# Altium PCB PM12_CFD.PcbDoc (part 5 of 12)
Units mm, origin at the board's own origin, x right, y up, seen from the top; angles counter-clockwise.
Board outline 96.25 x 362.25 mm, 6 copper layers (Top Layer, Mid-Layer 1, Mid-Layer 2, Mid-Layer 3, Mid-Layer 4, Bottom Layer); 1413 components, 2881 nets, 4503 pads, 1682 vias.
Unrouted connection lines stored in the file: 4.
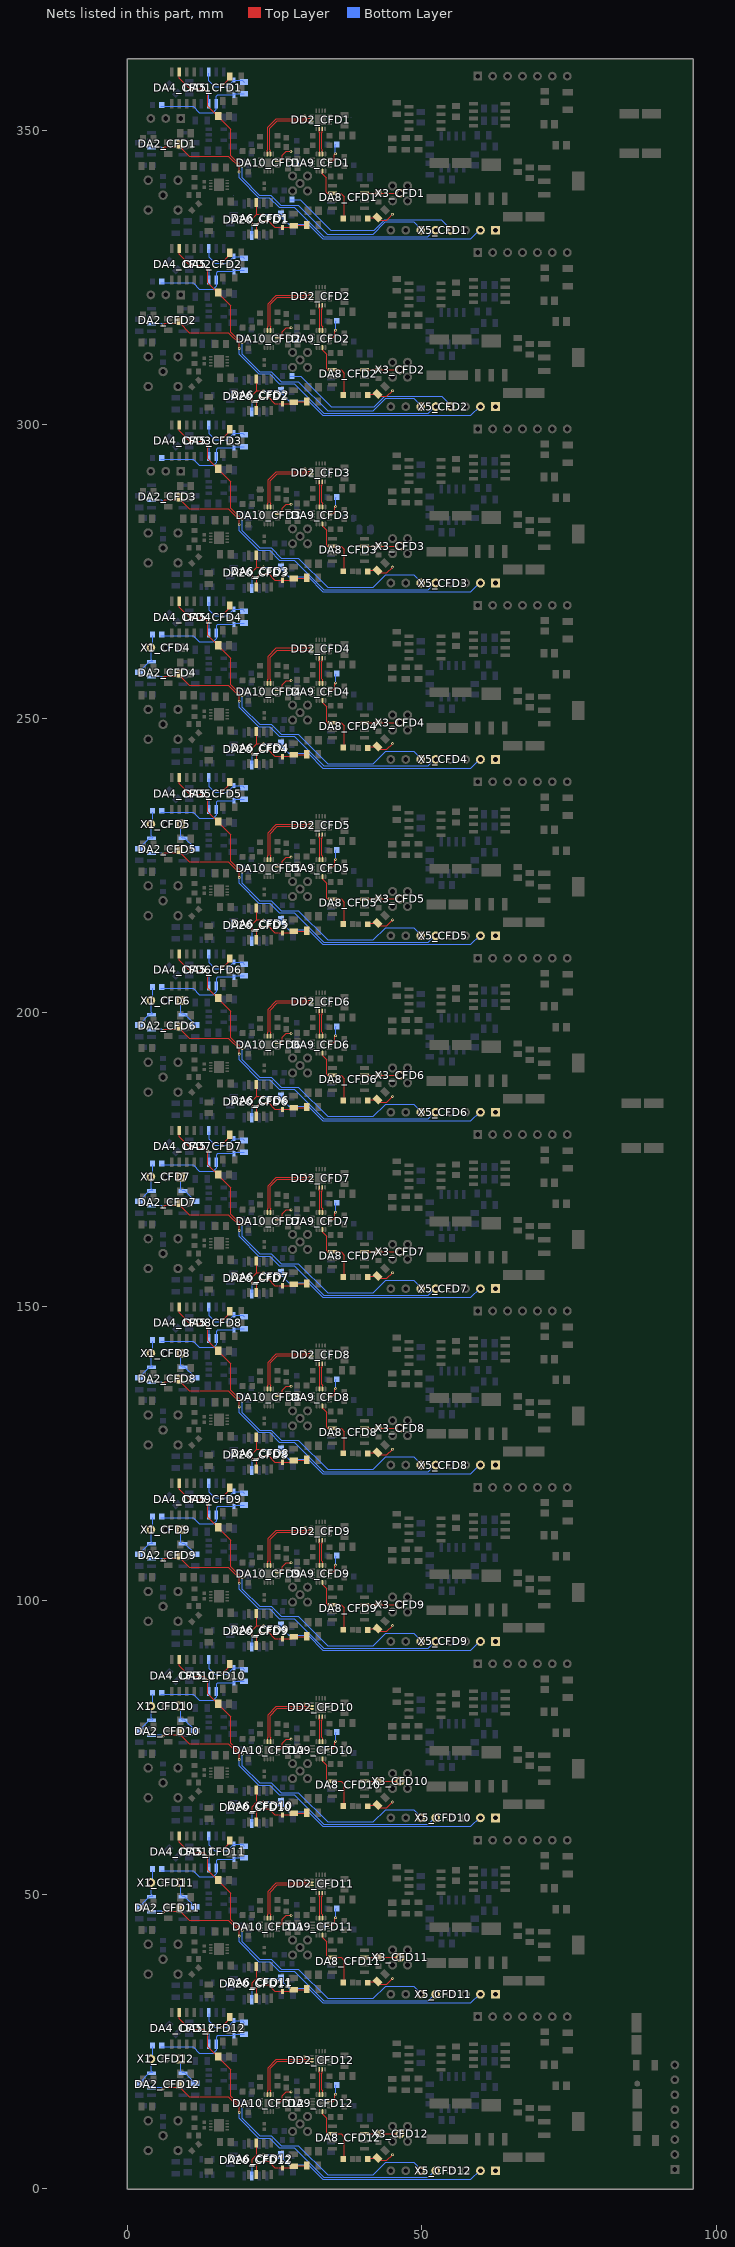
[diagram p9: the nets of this part, all layers, seen from the top]

## Via types
v1: diameter 0.48, hole 0.25, Top Layer to Bottom Layer, 1581 vias
v2: diameter 1, hole 0.6, Top Layer to Bottom Layer, 46 vias
v3: diameter 0.2/0/0/0/0/0.48 (per signal layer), hole 0.25, Top Layer to Bottom Layer, 33 vias
v4: diameter 4, hole 2.2, Top Layer to Bottom Layer, 12 vias
v5: diameter 0.5/0/0/0/0/1 (per signal layer), hole 0.6, Top Layer to Bottom Layer, 10 vias

## Nets (pads, with @x,y where several pads share a name; then routed paths per layer and width w, separated by ;. In a path a pad name is that pad's centre, name@x,y a point inside that pad or via, vN(x,y) a via of type N, cw(c..) or ccw(c..) an arc to the next point about the centre after c; other vN are vias at no path point) (continued)
DA2_O_CFD4_P: DA2_CFD4.4 R45_CFD4.2 R48_CFD4.2 X1_CFD4.3 | length 7.6
  Bottom Layer w0.2: R48_CFD4.2@1.9,257.9 3.71,259.71 4.2,259.71 3.92,259.99 3.92,262 4.22,262.3 R45_CFD4.2@4.22,264.049
DA2_O_CFD5_N: DA2_CFD5.5 R8_CFD5.2 X1_CFD5.1 | length 5.3
  Bottom Layer w0.2: X1_CFD5.1@9,232 9,229.91 9.2,229.71 9.59,229.71 R8_CFD5.2@11.4,227.9
DA2_O_CFD5_P: DA2_CFD5.4 R45_CFD5.2 R48_CFD5.2 X1_CFD5.3 | length 7.6
  Bottom Layer w0.2: R48_CFD5.2@1.9,227.9 3.71,229.71 4.2,229.71 3.92,229.99 3.92,232 4.22,232.3 R45_CFD5.2@4.22,234.049
DA2_O_CFD6_N: DA2_CFD6.5 R8_CFD6.2 X1_CFD6.1 | length 5.3
  Bottom Layer w0.2: X1_CFD6.1@9,202 9,199.91 9.2,199.71 9.59,199.71 R8_CFD6.2@11.4,197.9
DA2_O_CFD6_P: DA2_CFD6.4 R45_CFD6.2 R48_CFD6.2 X1_CFD6.3 | length 7.6
  Bottom Layer w0.2: R48_CFD6.2@1.9,197.9 3.71,199.71 4.2,199.71 3.92,199.99 3.92,202 4.22,202.3 R45_CFD6.2@4.22,204.049
DA2_O_CFD7_N: DA2_CFD7.5 R8_CFD7.2 X1_CFD7.1 | length 5.3
  Bottom Layer w0.2: X1_CFD7.1@9,172 9,169.91 9.2,169.71 9.59,169.71 R8_CFD7.2@11.4,167.9
DA2_O_CFD7_P: DA2_CFD7.4 R45_CFD7.2 R48_CFD7.2 X1_CFD7.3 | length 7.6
  Bottom Layer w0.2: R48_CFD7.2@1.9,167.9 3.71,169.71 4.2,169.71 3.92,169.99 3.92,172 4.22,172.3 R45_CFD7.2@4.22,174.049
DA2_O_CFD8_N: DA2_CFD8.5 R8_CFD8.2 X1_CFD8.1 | length 5.3
  Bottom Layer w0.2: X1_CFD8.1@9,142 9,139.91 9.2,139.71 9.59,139.71 R8_CFD8.2@11.4,137.9
DA2_O_CFD8_P: DA2_CFD8.4 R45_CFD8.2 R48_CFD8.2 X1_CFD8.3 | length 7.6
  Bottom Layer w0.2: R48_CFD8.2@1.9,137.9 3.71,139.71 4.2,139.71 3.92,139.99 3.92,142 4.22,142.3 R45_CFD8.2@4.22,144.049
DA2_O_CFD9_N: DA2_CFD9.5 R8_CFD9.2 X1_CFD9.1 | length 5.3
  Bottom Layer w0.2: X1_CFD9.1@9,112 9,109.91 9.2,109.71 9.59,109.71 R8_CFD9.2@11.4,107.9
DA2_O_CFD9_P: DA2_CFD9.4 R45_CFD9.2 R48_CFD9.2 X1_CFD9.3 | length 7.6
  Bottom Layer w0.2: R48_CFD9.2@1.9,107.9 3.71,109.71 4.2,109.71 3.92,109.99 3.92,112 4.22,112.3 R45_CFD9.2@4.22,114.049
DA2_O_CFD10_N: DA2_CFD10.5 R8_CFD10.2 X1_CFD10.1 | length 5.3
  Bottom Layer w0.2: X1_CFD10.1@9,82 9,79.91 9.2,79.71 9.59,79.71 R8_CFD10.2@11.4,77.9
DA2_O_CFD10_P: DA2_CFD10.4 R45_CFD10.2 R48_CFD10.2 X1_CFD10.3 | length 7.6
  Bottom Layer w0.2: R48_CFD10.2@1.9,77.9 3.71,79.71 4.2,79.71 3.92,79.99 3.92,82 4.22,82.3 R45_CFD10.2@4.22,84.049
DA2_O_CFD11_N: DA2_CFD11.5 R8_CFD11.2 X1_CFD11.1 | length 5.3
  Bottom Layer w0.2: X1_CFD11.1@9,52 9,49.91 9.2,49.71 9.59,49.71 R8_CFD11.2@11.4,47.9
DA2_O_CFD11_P: DA2_CFD11.4 R45_CFD11.2 R48_CFD11.2 X1_CFD11.3 | length 7.6
  Bottom Layer w0.2: R48_CFD11.2@1.9,47.9 3.71,49.71 4.2,49.71 3.92,49.99 3.92,52 4.22,52.3 R45_CFD11.2@4.22,54.049
DA2_O_CFD12_N: DA2_CFD12.5 R8_CFD12.2 X1_CFD12.1 | length 5.3
  Bottom Layer w0.2: X1_CFD12.1@9,22 9,19.91 9.2,19.71 9.59,19.71 R8_CFD12.2@11.4,17.9
DA2_O_CFD12_P: DA2_CFD12.4 R45_CFD12.2 R48_CFD12.2 X1_CFD12.3 | length 7.6
  Bottom Layer w0.2: R48_CFD12.2@1.9,17.9 3.71,19.71 4.2,19.71 3.92,19.99 3.92,22 4.22,22.3 R45_CFD12.2@4.22,24.049
DA2_VOCM_CFD1: C37_CFD1.2 DA2_CFD1.2 pad.1@4.17,347.17 X5_CFD1.5 | length 56.8
  Top Layer w0.2: v1(5.939,346.9) 6.015,346.9 6.265,347.15 8.4,347.15 C37_CFD1.2@8.77,347.52 ; C37_CFD1.2@8.77,347.6 C37_CFD1.2@8.77,347.52 ; v1(18.9,342.9) 18.9,343.763 17.063,345.6 10.395,345.6 8.77,347.225 C37_CFD1.2@8.77,347.52
  Bottom Layer w0.2: pad.1@4.17,347.17 5.594,347.17 5.864,346.9 v1(5.939,346.9) ; v1(18.9,342.9) 18.9,341.9 22.25,338.55 24.05,338.55 25.7,336.9 28.236,336.9 33.25,331.885 51.015,331.885 X5_CFD1.5@52.23,333.1
DA2_VOCM_CFD2: C37_CFD2.2 DA2_CFD2.2 X5_CFD2.5 | length 56.8
  Top Layer w0.2: v1(5.969,316.9) 6.045,316.9 6.295,317.15 8.43,317.15 C37_CFD2.2@8.8,317.52 ; C37_CFD2.2@8.8,317.6 C37_CFD2.2@8.8,317.52 ; v1(18.93,312.9) 18.93,313.763 17.093,315.6 10.425,315.6 8.8,317.225 C37_CFD2.2@8.8,317.52
  Bottom Layer w0.2: DA2_CFD2.2@4.2,317.17 5.624,317.17 5.894,316.9 v1(5.969,316.9) ; v1(18.93,312.9) 18.93,311.9 22.28,308.55 24.08,308.55 25.73,306.9 28.266,306.9 33.28,301.885 51.045,301.885 X5_CFD2.5@52.26,303.1
DA2_VOCM_CFD3: C37_CFD3.2 DA2_CFD3.2 X5_CFD3.5 | length 56.8
  Top Layer w0.2: 5.969,286.9 6.045,286.9 6.295,287.15 8.43,287.15 C37_CFD3.2@8.8,287.52 ; C37_CFD3.2@8.8,287.6 C37_CFD3.2@8.8,287.52 ; v1(18.93,282.9) 18.93,283.763 17.093,285.6 10.425,285.6 8.8,287.225 C37_CFD3.2@8.8,287.52
  Bottom Layer w0.2: DA2_CFD3.2@4.2,287.17 5.624,287.17 5.894,286.9 5.969,286.9 ; v1(18.93,282.9) 18.93,281.9 22.28,278.55 24.08,278.55 25.73,276.9 28.266,276.9 33.28,271.885 51.045,271.885 X5_CFD3.5@52.26,273.1
DA2_VOCM_CFD4: C37_CFD4.2 DA2_CFD4.2 X5_CFD4.5 | length 56.8
  Top Layer w0.2: v1(5.969,256.9) 6.045,256.9 6.295,257.15 8.43,257.15 C37_CFD4.2@8.8,257.52 ; C37_CFD4.2@8.8,257.6 C37_CFD4.2@8.8,257.52 ; v1(18.93,252.9) 18.93,253.763 17.093,255.6 10.425,255.6 8.8,257.225 C37_CFD4.2@8.8,257.52
  Bottom Layer w0.2: DA2_CFD4.2@4.2,257.17 5.624,257.17 5.894,256.9 v1(5.969,256.9) ; v1(18.93,252.9) 18.93,251.9 22.28,248.55 24.08,248.55 25.73,246.9 28.266,246.9 33.28,241.885 51.045,241.885 X5_CFD4.5@52.26,243.1
DA2_VOCM_CFD5: C37_CFD5.2 DA2_CFD5.2 X5_CFD5.5 | length 56.8
  Top Layer w0.2: v1(5.969,226.9) 6.045,226.9 6.295,227.15 8.43,227.15 C37_CFD5.2@8.8,227.519 ; C37_CFD5.2@8.8,227.6 C37_CFD5.2@8.8,227.519 ; v1(18.93,222.9) 18.93,223.763 17.093,225.6 10.425,225.6 8.8,227.225 C37_CFD5.2@8.8,227.519
  Bottom Layer w0.2: DA2_CFD5.2@4.2,227.17 5.624,227.17 5.894,226.9 v1(5.969,226.9) ; v1(18.93,222.9) 18.93,221.9 22.28,218.55 24.08,218.55 25.73,216.9 28.266,216.9 33.28,211.885 51.045,211.885 X5_CFD5.5@52.26,213.1
DA2_VOCM_CFD6: C37_CFD6.2 DA2_CFD6.2 X5_CFD6.5 | length 56.8
  Top Layer w0.2: v1(5.969,196.9) 6.045,196.9 6.295,197.15 8.43,197.15 C37_CFD6.2@8.8,197.519 ; C37_CFD6.2@8.8,197.6 C37_CFD6.2@8.8,197.519 ; v1(18.93,192.9) 18.93,193.763 17.093,195.6 10.425,195.6 8.8,197.225 C37_CFD6.2@8.8,197.519
  Bottom Layer w0.2: DA2_CFD6.2@4.2,197.17 5.624,197.17 5.894,196.9 v1(5.969,196.9) ; v1(18.93,192.9) 18.93,191.9 22.28,188.55 24.08,188.55 25.73,186.9 28.266,186.9 33.28,181.885 51.045,181.885 X5_CFD6.5@52.26,183.1
DA2_VOCM_CFD7: C37_CFD7.2 DA2_CFD7.2 X5_CFD7.5 | length 56.8
  Top Layer w0.2: v1(5.969,166.9) 6.045,166.9 6.295,167.15 8.43,167.15 C37_CFD7.2@8.8,167.519 ; C37_CFD7.2@8.8,167.6 C37_CFD7.2@8.8,167.519 ; v1(18.93,162.9) 18.93,163.763 17.093,165.6 10.425,165.6 8.8,167.225 C37_CFD7.2@8.8,167.519
  Bottom Layer w0.2: DA2_CFD7.2@4.2,167.17 5.624,167.17 5.894,166.9 v1(5.969,166.9) ; v1(18.93,162.9) 18.93,161.9 22.28,158.55 24.08,158.55 25.73,156.9 28.266,156.9 33.28,151.885 51.045,151.885 X5_CFD7.5@52.26,153.1
DA2_VOCM_CFD8: C37_CFD8.2 DA2_CFD8.2 X5_CFD8.5 | length 56.8
  Top Layer w0.2: v1(5.969,136.9) 6.045,136.9 6.295,137.15 8.43,137.15 C37_CFD8.2@8.8,137.519 ; C37_CFD8.2@8.8,137.6 C37_CFD8.2@8.8,137.519 ; v1(18.93,132.9) 18.93,133.763 17.093,135.6 10.425,135.6 8.8,137.225 C37_CFD8.2@8.8,137.519
  Bottom Layer w0.2: DA2_CFD8.2@4.2,137.17 5.624,137.17 5.894,136.9 v1(5.969,136.9) ; v1(18.93,132.9) 18.93,131.9 22.28,128.55 24.08,128.55 25.73,126.9 28.266,126.9 33.28,121.885 51.045,121.885 X5_CFD8.5@52.26,123.1
DA2_VOCM_CFD9: C37_CFD9.2 DA2_CFD9.2 X5_CFD9.5 | length 56.8
  Top Layer w0.2: v1(5.969,106.9) 6.045,106.9 6.295,107.15 8.43,107.15 C37_CFD9.2@8.8,107.519 ; C37_CFD9.2@8.8,107.6 C37_CFD9.2@8.8,107.519 ; v1(18.93,102.9) 18.93,103.763 17.093,105.6 10.425,105.6 8.8,107.225 C37_CFD9.2@8.8,107.519
  Bottom Layer w0.2: DA2_CFD9.2@4.2,107.17 5.624,107.17 5.894,106.9 v1(5.969,106.9) ; v1(18.93,102.9) 18.93,101.9 22.28,98.55 24.08,98.55 25.73,96.9 28.266,96.9 33.28,91.885 51.045,91.885 X5_CFD9.5@52.26,93.1
DA2_VOCM_CFD10: C37_CFD10.2 DA2_CFD10.2 X5_CFD10.5 | length 56.8
  Top Layer w0.2: v1(5.969,76.9) 6.045,76.9 6.295,77.15 8.43,77.15 C37_CFD10.2@8.8,77.519 ; C37_CFD10.2@8.8,77.6 C37_CFD10.2@8.8,77.519 ; v1(18.93,72.9) 18.93,73.763 17.093,75.6 10.425,75.6 8.8,77.225 C37_CFD10.2@8.8,77.519
  Bottom Layer w0.2: DA2_CFD10.2@4.2,77.17 5.624,77.17 5.894,76.9 v1(5.969,76.9) ; v1(18.93,72.9) 18.93,71.9 22.28,68.55 24.08,68.55 25.73,66.9 28.266,66.9 33.28,61.885 51.045,61.885 X5_CFD10.5@52.26,63.1
DA2_VOCM_CFD11: C37_CFD11.2 DA2_CFD11.2 X5_CFD11.5 | length 56.8
  Top Layer w0.2: v1(5.969,46.9) 6.045,46.9 6.295,47.15 8.43,47.15 C37_CFD11.2@8.8,47.519 ; C37_CFD11.2@8.8,47.6 C37_CFD11.2@8.8,47.519 ; v1(18.93,42.9) 18.93,43.763 17.093,45.6 10.425,45.6 8.8,47.225 C37_CFD11.2@8.8,47.519
  Bottom Layer w0.2: DA2_CFD11.2@4.2,47.17 5.624,47.17 5.894,46.9 v1(5.969,46.9) ; v1(18.93,42.9) 18.93,41.9 22.28,38.55 24.08,38.55 25.73,36.9 28.266,36.9 33.28,31.885 51.045,31.885 X5_CFD11.5@52.26,33.1
DA2_VOCM_CFD12: C37_CFD12.2 DA2_CFD12.2 X5_CFD12.5 | length 56.8
  Top Layer w0.2: v1(5.969,16.9) 6.045,16.9 6.295,17.15 8.43,17.15 C37_CFD12.2@8.8,17.519 ; C37_CFD12.2@8.8,17.6 C37_CFD12.2@8.8,17.519 ; v1(18.93,12.9) 18.93,13.763 17.093,15.6 10.425,15.6 8.8,17.225 C37_CFD12.2@8.8,17.519
  Bottom Layer w0.2: DA2_CFD12.2@4.2,17.17 5.624,17.17 5.894,16.9 v1(5.969,16.9) ; v1(18.93,12.9) 18.93,11.9 22.28,8.55 24.08,8.55 25.73,6.9 28.266,6.9 33.28,1.885 51.045,1.885 X5_CFD12.5@52.26,3.1
DA4_CFD1_P: C43_CFD1.2 DA4_CFD1.3 DA5_CFD1.3 X5_CFD1.6 | length 61.2
  Top Layer w0.2: DA4_CFD1.3@8.7,359.7 8.7,358.87 10.5,357.07 12.9,357.07 v1(13.57,356.4) 13.57,354.1 15.27,352.4 17.479,350.191 17.479,345.679 19.297,343.861 v1(19.4,343.861)
  Bottom Layer w0.2: v1(13.57,356.4) 13.77,356.2 DA5_CFD1.3@13.77,354.7 ; v1(19.4,343.861) 19.4,341.9 22.34,338.96 24.301,338.96 26.011,337.25 28.951,337.25 33.901,332.3 41.67,332.3 43.77,334.4 48.57,334.4 X5_CFD1.6@49.77,333.2
DA4_CFD2_P: C43_CFD2.2 DA4_CFD2.3 DA5_CFD2.3 X5_CFD2.6 | length 61.2
  Top Layer w0.2: DA4_CFD2.3@8.73,329.7 8.73,328.87 10.53,327.07 12.93,327.07 v1(13.6,326.4) 13.6,324.1 15.3,322.4 17.509,320.191 17.509,315.679 19.327,313.861 v1(19.43,313.861)
  Bottom Layer w0.2: v1(13.6,326.4) 13.8,326.2 DA5_CFD2.3@13.8,324.7 ; v1(19.43,313.861) 19.43,311.9 22.37,308.96 24.331,308.96 26.041,307.25 28.981,307.25 33.931,302.3 41.7,302.3 43.8,304.4 48.6,304.4 X5_CFD2.6@49.8,303.2
DA4_CFD3_P: C43_CFD3.2 DA4_CFD3.3 DA5_CFD3.3 X5_CFD3.6 | length 61.2
  Top Layer w0.2: DA4_CFD3.3@8.73,299.7 8.73,298.87 10.53,297.07 12.93,297.07 v1(13.6,296.4) 13.6,294.1 15.3,292.4 17.509,290.191 17.509,285.679 19.327,283.861 v1(19.43,283.861)
  Bottom Layer w0.2: v1(13.6,296.4) 13.8,296.2 DA5_CFD3.3@13.8,294.7 ; v1(19.43,283.861) 19.43,281.9 22.37,278.96 24.331,278.96 26.041,277.25 28.981,277.25 33.931,272.3 41.7,272.3 43.8,274.4 48.6,274.4 X5_CFD3.6@49.8,273.2
DA4_CFD4_P: C43_CFD4.2 DA4_CFD4.3 DA5_CFD4.3 X5_CFD4.6 | length 61.2
  Top Layer w0.2: DA4_CFD4.3@8.73,269.7 8.73,268.87 10.53,267.07 12.93,267.07 v1(13.6,266.4) 13.6,264.1 15.3,262.4 17.509,260.191 17.509,255.679 19.327,253.861 v1(19.43,253.861)
  Bottom Layer w0.2: v1(13.6,266.4) 13.8,266.2 DA5_CFD4.3@13.8,264.7 ; v1(19.43,253.861) 19.43,251.9 22.37,248.96 24.331,248.96 26.041,247.25 28.981,247.25 33.931,242.3 41.7,242.3 43.8,244.4 48.6,244.4 X5_CFD4.6@49.8,243.2
DA4_CFD5_P: C43_CFD5.2 DA4_CFD5.3 DA5_CFD5.3 X5_CFD5.6 | length 61.2
  Top Layer w0.2: DA4_CFD5.3@8.73,239.7 8.73,238.87 10.53,237.07 12.93,237.07 v1(13.6,236.4) 13.6,234.1 15.3,232.4 17.509,230.191 17.509,225.679 19.327,223.861 v1(19.43,223.861)
  Bottom Layer w0.2: v1(13.6,236.4) 13.8,236.2 DA5_CFD5.3@13.8,234.7 ; v1(19.43,223.861) 19.43,221.9 22.37,218.96 24.331,218.96 26.041,217.25 28.981,217.25 33.931,212.3 41.7,212.3 43.8,214.4 48.6,214.4 X5_CFD5.6@49.8,213.2
DA4_CFD6_P: C43_CFD6.2 DA4_CFD6.3 DA5_CFD6.3 X5_CFD6.6 | length 61.2
  Top Layer w0.2: DA4_CFD6.3@8.73,209.7 8.73,208.87 10.53,207.07 12.93,207.07 v1(13.6,206.4) 13.6,204.1 15.3,202.4 17.509,200.191 17.509,195.679 19.327,193.861 v1(19.43,193.861)
  Bottom Layer w0.2: v1(13.6,206.4) 13.8,206.2 DA5_CFD6.3@13.8,204.7 ; v1(19.43,193.861) 19.43,191.9 22.37,188.96 24.331,188.96 26.041,187.25 28.981,187.25 33.931,182.3 41.7,182.3 43.8,184.4 48.6,184.4 X5_CFD6.6@49.8,183.2
DA4_CFD7_P: C43_CFD7.2 DA4_CFD7.3 DA5_CFD7.3 X5_CFD7.6 | length 61.2
  Top Layer w0.2: DA4_CFD7.3@8.73,179.7 8.73,178.87 10.53,177.07 12.93,177.07 v1(13.6,176.4) 13.6,174.1 15.3,172.4 17.509,170.191 17.509,165.679 19.327,163.861 v1(19.43,163.861)
  Bottom Layer w0.2: v1(13.6,176.4) 13.8,176.2 DA5_CFD7.3@13.8,174.7 ; v1(19.43,163.861) 19.43,161.9 22.37,158.96 24.331,158.96 26.041,157.25 28.981,157.25 33.931,152.3 41.7,152.3 43.8,154.4 48.6,154.4 X5_CFD7.6@49.8,153.2
DA4_CFD8_P: C43_CFD8.2 DA4_CFD8.3 DA5_CFD8.3 X5_CFD8.6 | length 61.2
  Top Layer w0.2: DA4_CFD8.3@8.73,149.7 8.73,148.87 10.53,147.07 12.93,147.07 v1(13.6,146.4) 13.6,144.1 15.3,142.4 17.509,140.191 17.509,135.679 19.327,133.861 v1(19.43,133.861)
  Bottom Layer w0.2: v1(13.6,146.4) 13.8,146.2 DA5_CFD8.3@13.8,144.7 ; v1(19.43,133.861) 19.43,131.9 22.37,128.96 24.331,128.96 26.041,127.25 28.981,127.25 33.931,122.3 41.7,122.3 43.8,124.4 48.6,124.4 X5_CFD8.6@49.8,123.2
DA4_CFD9_P: C43_CFD9.2 DA4_CFD9.3 DA5_CFD9.3 X5_CFD9.6 | length 61.2
  Top Layer w0.2: DA4_CFD9.3@8.73,119.7 8.73,118.87 10.53,117.07 12.93,117.07 v1(13.6,116.4) 13.6,114.1 15.3,112.4 17.509,110.191 17.509,105.679 19.327,103.861 v1(19.43,103.861)
  Bottom Layer w0.2: v1(13.6,116.4) 13.8,116.2 DA5_CFD9.3@13.8,114.7 ; v1(19.43,103.861) 19.43,101.9 22.37,98.96 24.331,98.96 26.041,97.25 28.981,97.25 33.931,92.3 41.7,92.3 43.8,94.4 48.6,94.4 X5_CFD9.6@49.8,93.2
DA4_CFD10_P: C43_CFD10.2 DA4_CFD10.3 DA5_CFD10.3 X5_CFD10.6 | length 61.2
  Top Layer w0.2: DA4_CFD10.3@8.73,89.7 8.73,88.87 10.53,87.07 12.93,87.07 v1(13.6,86.4) 13.6,84.1 15.3,82.4 17.509,80.191 17.509,75.679 19.327,73.861 v1(19.43,73.861)
  Bottom Layer w0.2: v1(13.6,86.4) 13.8,86.2 DA5_CFD10.3@13.8,84.7 ; v1(19.43,73.861) 19.43,71.9 22.37,68.96 24.331,68.96 26.041,67.25 28.981,67.25 33.931,62.3 41.7,62.3 43.8,64.4 48.6,64.4 X5_CFD10.6@49.8,63.2
DA4_CFD11_P: C43_CFD11.2 DA4_CFD11.3 DA5_CFD11.3 X5_CFD11.6 | length 61.2
  Top Layer w0.2: DA4_CFD11.3@8.73,59.7 8.73,58.87 10.53,57.07 12.93,57.07 v1(13.6,56.4) 13.6,54.1 15.3,52.4 17.509,50.191 17.509,45.679 19.327,43.861 v1(19.43,43.861)
  Bottom Layer w0.2: v1(13.6,56.4) 13.8,56.2 DA5_CFD11.3@13.8,54.7 ; v1(19.43,43.861) 19.43,41.9 22.37,38.96 24.331,38.96 26.041,37.25 28.981,37.25 33.931,32.3 41.7,32.3 43.8,34.4 48.6,34.4 X5_CFD11.6@49.8,33.2
DA4_CFD12_P: C43_CFD12.2 DA4_CFD12.3 DA5_CFD12.3 X5_CFD12.6 | length 61.2
  Top Layer w0.2: DA4_CFD12.3@8.73,29.7 8.73,28.87 10.53,27.07 12.93,27.07 v1(13.6,26.4) 13.6,24.1 15.3,22.4 17.509,20.191 17.509,15.679 19.327,13.861 v1(19.43,13.861)
  Bottom Layer w0.2: v1(13.6,26.4) 13.8,26.2 DA5_CFD12.3@13.8,24.7 ; v1(19.43,13.861) 19.43,11.9 22.37,8.96 24.331,8.96 26.041,7.25 28.981,7.25 33.931,2.3 41.7,2.3 43.8,4.4 48.6,4.4 X5_CFD12.6@49.8,3.2
DA5_CFD1_N: DA5_CFD1.2 R17_CFD1.1 R45_CFD1.1 VD1_CFD1.1 | length 18.5
  Bottom Layer w0.2: R45_CFD1.1@5.54,354.049 11.071,354.049 12.12,353 14.47,353 15.04,353.57 15.04,354.5 15.04,355.78 15.26,356 17.97,356 18.17,356.2 19.77,356.2 18.542,356.2
DA5_CFD1_OUT: 
DA5_CFD2_N: DA5_CFD2.2 R17_CFD2.1 R45_CFD2.1 VD1_CFD2.1 | length 17.3
  Bottom Layer w0.2: R45_CFD2.1@5.57,324.049 11.101,324.049 12.15,323 14.5,323 15.07,323.57 15.07,325.78 15.29,326 18,326 18.2,326.2 R17_CFD2.1@19.8,326.2
DA5_CFD3_N: DA5_CFD3.2 R17_CFD3.1 R45_CFD3.1 VD1_CFD3.1 | length 17.3
  Bottom Layer w0.2: R45_CFD3.1@5.57,294.049 11.101,294.049 12.15,293 14.5,293 15.07,293.57 15.07,295.78 15.29,296 18,296 18.2,296.2 R17_CFD3.1@19.8,296.2
DA5_CFD4_N: DA5_CFD4.2 R17_CFD4.1 R45_CFD4.1 VD1_CFD4.1 | length 17.3
  Bottom Layer w0.2: R45_CFD4.1@5.57,264.049 11.101,264.049 12.15,263 14.5,263 15.07,263.57 15.07,265.78 15.29,266 18,266 18.2,266.2 R17_CFD4.1@19.8,266.2
DA5_CFD5_N: DA5_CFD5.2 R17_CFD5.1 R45_CFD5.1 VD1_CFD5.1 | length 17.3
  Bottom Layer w0.2: R45_CFD5.1@5.57,234.049 11.101,234.049 12.15,233 14.5,233 15.07,233.57 15.07,235.78 15.29,236 18,236 18.2,236.2 R17_CFD5.1@19.8,236.2
DA5_CFD6_N: DA5_CFD6.2 R17_CFD6.1 R45_CFD6.1 VD1_CFD6.1 | length 17.3
  Bottom Layer w0.2: R45_CFD6.1@5.57,204.049 11.101,204.049 12.15,203 14.5,203 15.07,203.57 15.07,205.78 15.29,206 18,206 18.2,206.2 R17_CFD6.1@19.8,206.2
DA5_CFD7_N: DA5_CFD7.2 R17_CFD7.1 R45_CFD7.1 VD1_CFD7.1 | length 17.3
  Bottom Layer w0.2: R45_CFD7.1@5.57,174.049 11.101,174.049 12.15,173 14.5,173 15.07,173.57 15.07,175.78 15.29,176 18,176 18.2,176.2 R17_CFD7.1@19.8,176.2
DA5_CFD8_N: DA5_CFD8.2 R17_CFD8.1 R45_CFD8.1 VD1_CFD8.1 | length 17.3
  Bottom Layer w0.2: R45_CFD8.1@5.57,144.049 11.101,144.049 12.15,143 14.5,143 15.07,143.57 15.07,145.78 15.29,146 18,146 18.2,146.2 R17_CFD8.1@19.8,146.2
DA5_CFD9_N: DA5_CFD9.2 R17_CFD9.1 R45_CFD9.1 VD1_CFD9.1 | length 17.3
  Bottom Layer w0.2: R45_CFD9.1@5.57,114.049 11.101,114.049 12.15,113 14.5,113 15.07,113.57 15.07,115.78 15.29,116 18,116 18.2,116.2 R17_CFD9.1@19.8,116.2
DA5_CFD10_N: DA5_CFD10.2 R17_CFD10.1 R45_CFD10.1 VD1_CFD10.1 | length 17.3
  Bottom Layer w0.2: R45_CFD10.1@5.57,84.049 11.101,84.049 12.15,83 14.5,83 15.07,83.57 15.07,85.78 15.29,86 18,86 18.2,86.2 R17_CFD10.1@19.8,86.2
DA5_CFD11_N: DA5_CFD11.2 R17_CFD11.1 R45_CFD11.1 VD1_CFD11.1 | length 17.3
  Bottom Layer w0.2: R45_CFD11.1@5.57,54.049 11.101,54.049 12.15,53 14.5,53 15.07,53.57 15.07,55.78 15.29,56 18,56 18.2,56.2 R17_CFD11.1@19.8,56.2
DA5_CFD12_N: DA5_CFD12.2 R17_CFD12.1 R45_CFD12.1 VD1_CFD12.1 | length 17.3
  Bottom Layer w0.2: R45_CFD12.1@5.57,24.049 11.101,24.049 12.15,23 14.5,23 15.07,23.57 15.07,25.78 15.29,26 18,26 18.2,26.2 R17_CFD12.1@19.8,26.2
DA5_OUT_CFD1: DA5_CFD1.6 R13_CFD1.1 R17_CFD1.2 VD1_CFD1.2 | length 11.5
  Top Layer w0.2: v1(15.87,357.4) 17.27,358.8 R13_CFD1.1@17.27,359.1
  Bottom Layer w0.2: DA5_CFD1.6@13.77,359.7 13.77,358.38 14.75,357.4 v1(15.87,357.4) 16.87,357.4 17.97,358.5 R17_CFD1.2@19.47,358.5 ; 18.542,358.5 R17_CFD1.2@19.47,358.5 ; R17_CFD1.2@19.77,358.2 R17_CFD1.2@19.47,358.5
DA5_OUT_CFD2: DA5_CFD2.6 R13_CFD2.1 R17_CFD2.2 VD1_CFD2.2 | length 10.6
  Top Layer w0.2: v1(15.9,327.4) 17.3,328.8 R13_CFD2.1@17.3,329.1
  Bottom Layer w0.2: DA5_CFD2.6@13.8,329.7 13.8,328.38 14.78,327.4 v1(15.9,327.4) 16.9,327.4 18,328.5 19.5,328.5 R17_CFD2.2@19.8,328.2
DA5_OUT_CFD3: DA5_CFD3.6 R13_CFD3.1 R17_CFD3.2 VD1_CFD3.2 | length 10.6
  Top Layer w0.2: v1(15.9,297.4) 17.3,298.8 R13_CFD3.1@17.3,299.1
  Bottom Layer w0.2: DA5_CFD3.6@13.8,299.7 13.8,298.38 14.78,297.4 v1(15.9,297.4) 16.9,297.4 18,298.5 19.5,298.5 R17_CFD3.2@19.8,298.2
DA5_OUT_CFD4: DA5_CFD4.6 R13_CFD4.1 R17_CFD4.2 VD1_CFD4.2 | length 10.6
  Top Layer w0.2: v1(15.9,267.4) 17.3,268.8 R13_CFD4.1@17.3,269.1
  Bottom Layer w0.2: DA5_CFD4.6@13.8,269.7 13.8,268.38 14.78,267.4 v1(15.9,267.4) 16.9,267.4 18,268.5 19.5,268.5 R17_CFD4.2@19.8,268.2
DA5_OUT_CFD5: DA5_CFD5.6 R13_CFD5.1 R17_CFD5.2 VD1_CFD5.2 | length 10.6
  Top Layer w0.2: v1(15.9,237.4) 17.3,238.8 R13_CFD5.1@17.3,239.1
  Bottom Layer w0.2: DA5_CFD5.6@13.8,239.7 13.8,238.38 14.78,237.4 v1(15.9,237.4) 16.9,237.4 18,238.5 19.5,238.5 R17_CFD5.2@19.8,238.2
DA5_OUT_CFD6: DA5_CFD6.6 R13_CFD6.1 R17_CFD6.2 VD1_CFD6.2 | length 10.6
  Top Layer w0.2: v1(15.9,207.4) 17.3,208.8 R13_CFD6.1@17.3,209.1
  Bottom Layer w0.2: DA5_CFD6.6@13.8,209.7 13.8,208.38 14.78,207.4 v1(15.9,207.4) 16.9,207.4 18,208.5 19.5,208.5 R17_CFD6.2@19.8,208.2
DA5_OUT_CFD7: DA5_CFD7.6 R13_CFD7.1 R17_CFD7.2 VD1_CFD7.2 | length 10.6
  Top Layer w0.2: v1(15.9,177.4) 17.3,178.8 R13_CFD7.1@17.3,179.1
  Bottom Layer w0.2: DA5_CFD7.6@13.8,179.7 13.8,178.38 14.78,177.4 v1(15.9,177.4) 16.9,177.4 18,178.5 19.5,178.5 R17_CFD7.2@19.8,178.2
DA5_OUT_CFD8: DA5_CFD8.6 R13_CFD8.1 R17_CFD8.2 VD1_CFD8.2 | length 10.6
  Top Layer w0.2: v1(15.9,147.4) 17.3,148.8 R13_CFD8.1@17.3,149.1
  Bottom Layer w0.2: DA5_CFD8.6@13.8,149.7 13.8,148.38 14.78,147.4 v1(15.9,147.4) 16.9,147.4 18,148.5 19.5,148.5 R17_CFD8.2@19.8,148.2
DA5_OUT_CFD9: DA5_CFD9.6 R13_CFD9.1 R17_CFD9.2 VD1_CFD9.2 | length 10.6
  Top Layer w0.2: v1(15.9,117.4) 17.3,118.8 R13_CFD9.1@17.3,119.1
  Bottom Layer w0.2: DA5_CFD9.6@13.8,119.7 13.8,118.38 14.78,117.4 v1(15.9,117.4) 16.9,117.4 18,118.5 19.5,118.5 R17_CFD9.2@19.8,118.2
DA5_OUT_CFD10: DA5_CFD10.6 R13_CFD10.1 R17_CFD10.2 VD1_CFD10.2 | length 10.6
  Top Layer w0.2: v1(15.9,87.4) 17.3,88.8 R13_CFD10.1@17.3,89.1
  Bottom Layer w0.2: DA5_CFD10.6@13.8,89.7 13.8,88.38 14.78,87.4 v1(15.9,87.4) 16.9,87.4 18,88.5 19.5,88.5 R17_CFD10.2@19.8,88.2
DA5_OUT_CFD11: DA5_CFD11.6 R13_CFD11.1 R17_CFD11.2 VD1_CFD11.2 | length 10.6
  Top Layer w0.2: v1(15.9,57.4) 17.3,58.8 R13_CFD11.1@17.3,59.1
  Bottom Layer w0.2: DA5_CFD11.6@13.8,59.7 13.8,58.38 14.78,57.4 v1(15.9,57.4) 16.9,57.4 18,58.5 19.5,58.5 R17_CFD11.2@19.8,58.2
DA5_OUT_CFD12: DA5_CFD12.6 R13_CFD12.1 R17_CFD12.2 VD1_CFD12.2 | length 10.6
  Top Layer w0.2: v1(15.9,27.4) 17.3,28.8 R13_CFD12.1@17.3,29.1
  Bottom Layer w0.2: DA5_CFD12.6@13.8,29.7 13.8,28.38 14.78,27.4 v1(15.9,27.4) 16.9,27.4 18,28.5 19.5,28.5 R17_CFD12.2@19.8,28.2
DA6_CFD1_OUT: 
DA6_CFD1_P: C12_CFD1.2 DA6_CFD1.3 DA20_CFD1.3 X5_CFD1.2 | length 45.8
  Top Layer w0.2: v1(21.13,333.91) 21.13,334.93 21.9,335.7 v1(23,335.7) ; 21.9,335.77 DA6_CFD1.3@21.9,337.3
  Bottom Layer w0.2: DA20_CFD1.3@21.13,332.3 v1(21.13,333.91) ; v1(23,335.7) 26,335.7 26,335.325 27.3,334.025 30.616,334.025 33.105,331.535 58.285,331.535 X5_CFD1.2@59.85,333.1
DA6_CFD2_P: C12_CFD2.2 DA6_CFD2.3 DA20_CFD2.3 X5_CFD2.2 | length 45.8
  Top Layer w0.2: v1(21.16,303.91) 21.16,304.93 21.93,305.7 v1(23.03,305.7) ; 21.93,305.77 DA6_CFD2.3@21.93,307.3
  Bottom Layer w0.2: DA20_CFD2.3@21.16,302.3 v1(21.16,303.91) ; v1(23.03,305.7) 26.03,305.7 26.03,305.325 27.33,304.025 30.646,304.025 33.135,301.535 58.315,301.535 X5_CFD2.2@59.88,303.1
DA6_CFD3_P: C12_CFD3.2 DA6_CFD3.3 DA20_CFD3.3 X5_CFD3.2 | length 45.8
  Top Layer w0.2: v1(21.16,273.91) 21.16,274.93 21.93,275.7 v1(23.03,275.7) ; 21.93,275.77 DA6_CFD3.3@21.93,277.3
  Bottom Layer w0.2: DA20_CFD3.3@21.16,272.3 v1(21.16,273.91) ; v1(23.03,275.7) 26.03,275.7 26.03,275.325 27.33,274.025 30.646,274.025 33.135,271.535 58.315,271.535 X5_CFD3.2@59.88,273.1
DA6_CFD4_P: C12_CFD4.2 DA6_CFD4.3 DA20_CFD4.3 X5_CFD4.2 | length 45.8
  Top Layer w0.2: v1(21.16,243.91) 21.16,244.93 21.93,245.7 v1(23.03,245.7) ; 21.93,245.77 DA6_CFD4.3@21.93,247.3
  Bottom Layer w0.2: DA20_CFD4.3@21.16,242.3 v1(21.16,243.91) ; v1(23.03,245.7) 26.03,245.7 26.03,245.325 27.33,244.025 30.646,244.025 33.135,241.535 58.315,241.535 X5_CFD4.2@59.88,243.1